# EAGLE board working (EAGLE 9.5.2), part 3 of 4
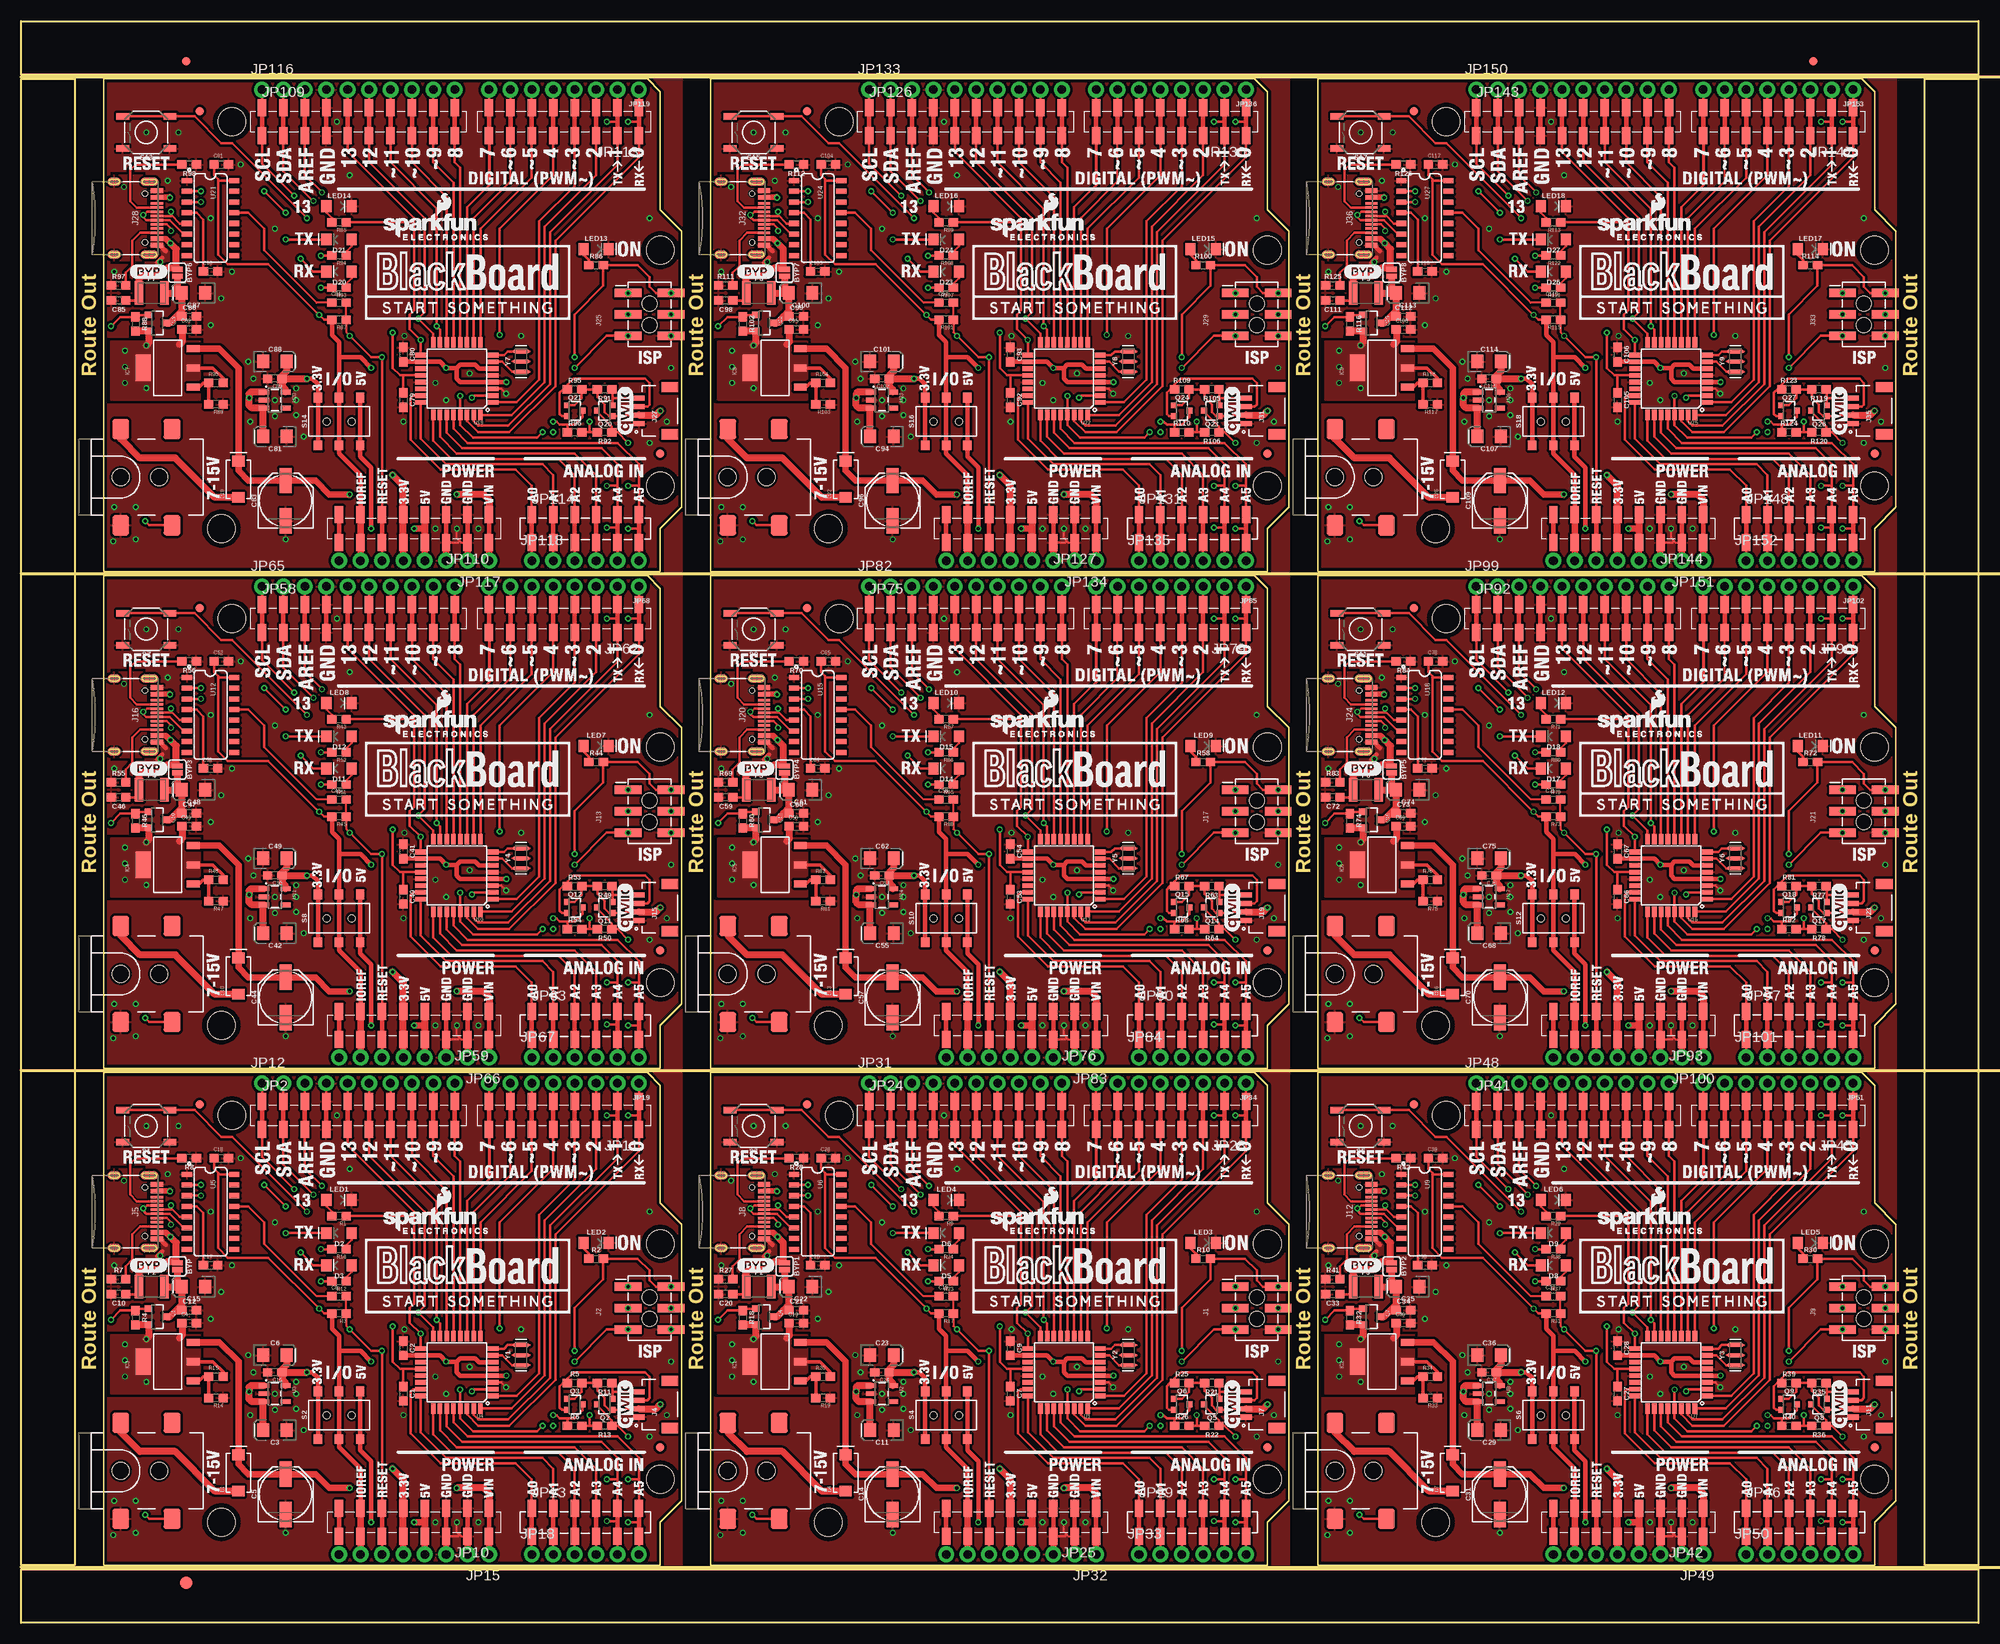
[diagram p0: board, top side]
## Tracks (layer width: path | path; a pad name or v marks a point on that pad's centre or on a via) (continued)
A5/SCL7  (via drill 0.38) (continued)
  Top 0.305: U22.28 123.3,141.62 124.97,139.95 142.75,139.95 145.29,137.41 145.29,134.87 | 145.29,134.87 JP131.6A 145.29,129.79 v144.02,129.79 | JP126.1B 100.58,173.1 v104.39,169.29 | v144.02,134.87 145.29,134.87 | JP133.1 100.58,179.32 | JP131.6B JP135.6
  Bottom 0.305: v104.39,169.29 111.89,161.8 111.89,144.4 120.14,136.14 133.73,136.14 140.97,128.91 143.13,128.91 v144.02,129.79 | QW16.1 143.26,135.64 v144.02,134.87
A5/SCL8  (via drill 0.38)
  Top 0.254: 217.3,129.79 JP148.6B | JP143.1A 172.59,179.32 JP143.1B
  Top 0.305: U25.28 195.31,141.62 196.98,139.95 214.76,139.95 217.3,137.41 217.3,134.87 | 217.3,134.87 JP148.6A 217.3,129.79 v216.03,129.79 | JP143.1B 172.59,173.1 v176.4,169.29 | v216.03,134.87 217.3,134.87 | JP150.1 172.59,179.32 | JP148.6B JP152.6
  Bottom 0.305: v176.4,169.29 183.9,161.8 183.9,144.4 192.15,136.14 205.74,136.14 212.98,128.91 215.14,128.91 v216.03,129.79 | QW18.1 215.26,135.64 v216.03,134.87
A6
  Top 0.254: JP29.3B 137.67,10.67
  Top 0.305: U1.25 120.9,22.36 123.06,20.19 135.76,20.19 137.67,18.29 137.67,10.67 JP29.3A JP33.3
A7
  Top 0.254: JP29.4A JP29.4B
  Top 0.305: U1.26 121.7,22.83 123.7,20.83 137.67,20.83 140.21,18.29 JP29.4A | JP29.4B JP33.4
A8
  Top 0.254: JP46.1B JP46.1A
  Top 0.305: U7.23 190.53,27.72 190.25,27.43 190.25,22.48 193.8,18.92 202.69,18.92 204.6,17.02 JP46.1A JP50.1
A9
  Top 0.254: JP46.2A JP46.2B
  Top 0.305: U7.24 191.41,22.58 194.44,19.56 205.87,19.56 207.14,18.29 JP46.2A | JP46.2B JP50.2
A10
  Top 0.254: JP46.3B 209.68,10.67
  Top 0.305: U7.25 192.91,22.36 195.07,20.19 207.77,20.19 209.68,18.29 209.68,10.67 JP46.3A JP50.3
A11
  Top 0.254: JP46.4A JP46.4B
  Top 0.305: U7.26 193.71,22.83 195.71,20.83 209.68,20.83 212.22,18.29 JP46.4A | JP46.4B JP50.4
A12
  Top 0.254: JP63.1B JP63.1A
  Top 0.305: U10.23 46.51,86.65 46.23,86.36 46.23,81.41 49.78,77.85 58.67,77.85 60.58,75.95 JP63.1A JP67.1
A13
  Top 0.254: JP63.2A JP63.2B
  Top 0.305: U10.24 47.4,81.51 50.42,78.49 61.85,78.49 63.12,77.22 JP63.2A | JP63.2B JP67.2
A14
  Top 0.254: JP63.3B 65.66,69.6
  Top 0.305: U10.25 48.89,81.29 51.05,79.12 63.75,79.12 65.66,77.22 65.66,69.6 JP63.3A JP67.3
A15
  Top 0.254: JP63.4A JP63.4B
  Top 0.305: U10.26 49.69,81.76 51.69,79.76 65.66,79.76 68.2,77.22 JP63.4A | JP63.4B JP67.4
A16
  Top 0.254: JP80.1B JP80.1A
  Top 0.305: U13.23 118.52,86.65 118.24,86.36 118.24,81.41 121.79,77.85 130.68,77.85 132.59,75.95 JP80.1A JP84.1
A17
  Top 0.254: JP80.2A JP80.2B
  Top 0.305: U13.24 119.41,81.51 122.43,78.49 133.86,78.49 135.13,77.22 JP80.2A | JP80.2B JP84.2
A18
  Top 0.254: JP80.3B 137.67,69.6
  Top 0.305: U13.25 120.9,81.29 123.06,79.12 135.76,79.12 137.67,77.22 137.67,69.6 JP80.3A JP84.3
A19
  Top 0.254: JP80.4A JP80.4B
  Top 0.305: U13.26 121.7,81.76 123.7,79.76 137.67,79.76 140.21,77.22 JP80.4A | JP80.4B JP84.4
A20
  Top 0.254: JP97.1B JP97.1A
  Top 0.305: U16.23 190.53,86.65 190.25,86.36 190.25,81.41 193.8,77.85 202.69,77.85 204.6,75.95 JP97.1A JP101.1
A21
  Top 0.254: JP97.2A JP97.2B
  Top 0.305: U16.24 191.41,81.51 194.44,78.49 205.87,78.49 207.14,77.22 JP97.2A | JP97.2B JP101.2
A22
  Top 0.254: JP97.3B 209.68,69.6
  Top 0.305: U16.25 192.91,81.29 195.07,79.12 207.77,79.12 209.68,77.22 209.68,69.6 JP97.3A JP101.3
A23
  Top 0.254: JP97.4A JP97.4B
  Top 0.305: U16.26 193.71,81.76 195.71,79.76 209.68,79.76 212.22,77.22 JP97.4A | JP97.4B JP101.4
A24
  Top 0.254: JP114.1B JP114.1A
  Top 0.305: U19.23 46.51,145.57 46.23,145.29 46.23,140.34 49.78,136.78 58.67,136.78 60.58,134.87 JP114.1A JP118.1
A25
  Top 0.254: JP114.2A JP114.2B
  Top 0.305: U19.24 47.4,140.44 50.42,137.41 61.85,137.41 63.12,136.14 JP114.2A | JP114.2B JP118.2
A26
  Top 0.254: JP114.3B 65.66,128.52
  Top 0.305: U19.25 48.89,140.21 51.05,138.05 63.75,138.05 65.66,136.14 65.66,128.52 JP114.3A JP118.3
A27
  Top 0.254: JP114.4A JP114.4B
  Top 0.305: U19.26 49.69,140.68 51.69,138.68 65.66,138.68 68.2,136.14 JP114.4A | JP114.4B JP118.4
A28
  Top 0.254: JP131.1B JP131.1A
  Top 0.305: U22.23 118.52,145.57 118.24,145.29 118.24,140.34 121.79,136.78 130.68,136.78 132.59,134.87 JP131.1A JP135.1
A29
  Top 0.254: JP131.2A JP131.2B
  Top 0.305: U22.24 119.41,140.44 122.43,137.41 133.86,137.41 135.13,136.14 JP131.2A | JP131.2B JP135.2
A30
  Top 0.254: JP131.3B 137.67,128.52
  Top 0.305: U22.25 120.9,140.21 123.06,138.05 135.76,138.05 137.67,136.14 137.67,128.52 JP131.3A JP135.3
A31
  Top 0.254: JP131.4A JP131.4B
  Top 0.305: U22.26 121.7,140.68 123.7,138.68 137.67,138.68 140.21,136.14 JP131.4A | JP131.4B JP135.4
A32
  Top 0.254: JP148.1B JP148.1A
  Top 0.305: U25.23 190.53,145.57 190.25,145.29 190.25,140.34 193.8,136.78 202.69,136.78 204.6,134.87 JP148.1A JP152.1
A33
  Top 0.254: JP148.2A JP148.2B
  Top 0.305: U25.24 191.41,140.44 194.44,137.41 205.87,137.41 207.14,136.14 JP148.2A | JP148.2B JP152.2
A34
  Top 0.254: JP148.3B 209.68,128.52
  Top 0.305: U25.25 192.91,140.21 195.07,138.05 207.77,138.05 209.68,136.14 209.68,128.52 JP148.3A JP152.3
A35
  Top 0.254: JP148.4A JP148.4B
  Top 0.305: U25.26 193.71,140.68 195.71,138.68 209.68,138.68 212.22,136.14 JP148.4A | JP148.4B JP152.4
AREF  (via drill 0.38)
  Top 0.254: JP2.3A JP2.3B
  Top 0.305: 45.34,30.12 44.94,30.12 44.07,30.99 v44.07,35.18 | 45.34,30.12 U4.20 | C1.1 45.34,30.12 | JP2.3B 33.66,53.85 v35.69,51.82 | JP2.3A JP12.3
  Bottom 0.305: v35.69,51.82 44.07,43.43 v44.07,35.18
AREF1  (via drill 0.38)
  Top 0.254: JP24.3A JP24.3B
  Top 0.305: 117.35,30.12 116.95,30.12 116.08,30.99 v116.08,35.18 | 117.35,30.12 U1.20 | C7.1 117.35,30.12 | JP24.3B 105.66,53.85 v107.7,51.82 | JP24.3A JP31.3
  Bottom 0.305: v107.7,51.82 116.08,43.43 v116.08,35.18
AREF2  (via drill 0.38)
  Top 0.254: JP41.3A JP41.3B
  Top 0.305: 189.36,30.12 188.96,30.12 188.09,30.99 v188.09,35.18 | 189.36,30.12 U7.20 | C27.1 189.36,30.12 | JP41.3B 177.67,53.85 v179.7,51.82 | JP41.3A JP48.3
  Bottom 0.305: v179.7,51.82 188.09,43.43 v188.09,35.18
AREF3  (via drill 0.38)
  Top 0.254: JP58.3A JP58.3B
  Top 0.305: 45.34,89.05 44.94,89.05 44.07,89.92 v44.07,94.11 | 45.34,89.05 U10.20 | C40.1 45.34,89.05 | JP58.3B 33.66,112.78 v35.69,110.74 | JP58.3A JP65.3
  Bottom 0.305: v35.69,110.74 44.07,102.36 v44.07,94.11
AREF4  (via drill 0.38)
  Top 0.254: JP75.3A JP75.3B
  Top 0.305: 117.35,89.05 116.95,89.05 116.08,89.92 v116.08,94.11 | 117.35,89.05 U13.20 | C53.1 117.35,89.05 | JP75.3B 105.66,112.78 v107.7,110.74 | JP75.3A JP82.3
  Bottom 0.305: v107.7,110.74 116.08,102.36 v116.08,94.11
AREF5  (via drill 0.38)
  Top 0.254: JP92.3A JP92.3B
  Top 0.305: 189.36,89.05 188.96,89.05 188.09,89.92 v188.09,94.11 | 189.36,89.05 U16.20 | C66.1 189.36,89.05 | JP92.3B 177.67,112.78 v179.7,110.74 | JP92.3A JP99.3
  Bottom 0.305: v179.7,110.74 188.09,102.36 v188.09,94.11
AREF6  (via drill 0.38)
  Top 0.254: JP109.3A JP109.3B
  Top 0.305: 45.34,147.97 44.94,147.97 44.07,148.84 v44.07,153.03 | 45.34,147.97 U19.20 | C79.1 45.34,147.97 | JP109.3B 33.66,171.7 v35.69,169.67 | JP109.3A JP116.3
  Bottom 0.305: v35.69,169.67 44.07,161.29 v44.07,153.03
AREF7  (via drill 0.38)
  Top 0.254: JP126.3A JP126.3B
  Top 0.305: 117.35,147.97 116.95,147.97 116.08,148.84 v116.08,153.03 | 117.35,147.97 U22.20 | C92.1 117.35,147.97 | JP126.3B 105.66,171.7 v107.7,169.67 | JP126.3A JP133.3
  Bottom 0.305: v107.7,169.67 116.08,161.29 v116.08,153.03
AREF8  (via drill 0.38)
  Top 0.254: JP143.3A JP143.3B
  Top 0.305: 189.36,147.97 188.96,147.97 188.09,148.84 v188.09,153.03 | 189.36,147.97 U25.20 | C105.1 189.36,147.97 | JP143.3B 177.67,171.7 v179.7,169.67 | JP143.3A JP150.3
  Bottom 0.305: v179.7,169.67 188.09,161.29 v188.09,153.03
CC1
  Top 0.305: J5.A5 13.74,50.02 12.95,50.8 12.95,54.48 13.59,55.12 R8.2
CC2
  Top 0.305: J5.B5 14.12,47.02 13.21,46.1 13.21,43.09 12.41,42.29 R7.2
CC3
  Top 0.305: J8.B5 86.13,47.02 85.22,46.1 85.22,43.09 84.42,42.29 R27.2
CC4
  Top 0.305: J8.A5 85.74,50.02 84.96,50.8 84.96,54.48 85.6,55.12 R28.2
CC5
  Top 0.305: J12.B5 158.14,47.02 157.23,46.1 157.23,43.09 156.42,42.29 R41.2
CC6
  Top 0.305: J12.A5 157.75,50.02 156.97,50.8 156.97,54.48 157.61,55.12 R42.2
CC7
  Top 0.305: J16.B5 14.12,105.95 13.21,105.03 13.21,102.02 12.41,101.22 R55.2
CC8
  Top 0.305: J16.A5 13.74,108.95 12.95,109.73 12.95,113.41 13.59,114.05 R56.2
CC9
  Top 0.305: J20.B5 86.13,105.95 85.22,105.03 85.22,102.02 84.42,101.22 R69.2
CC10
  Top 0.305: J20.A5 85.74,108.95 84.96,109.73 84.96,113.41 85.6,114.05 R70.2
CC11
  Top 0.305: J24.B5 158.14,105.95 157.23,105.03 157.23,102.02 156.42,101.22 R83.2
CC12
  Top 0.305: J24.A5 157.75,108.95 156.97,109.73 156.97,113.41 157.61,114.05 R84.2
CC13
  Top 0.305: J28.B5 14.12,164.87 13.21,163.96 13.21,160.95 12.41,160.15 R97.2
CC14
  Top 0.305: J28.A5 13.74,167.87 12.95,168.66 12.95,172.34 13.59,172.97 R98.2
CC15
  Top 0.305: J32.B5 86.13,164.87 85.22,163.96 85.22,160.95 84.42,160.15 R111.2
CC16
  Top 0.305: J32.A5 85.74,167.87 84.96,168.66 84.96,172.34 85.6,172.97 R112.2
CC17
  Top 0.305: J36.B5 158.14,164.87 157.23,163.96 157.23,160.95 156.42,160.15 R125.2
CC18
  Top 0.305: J36.A5 157.75,167.87 156.97,168.66 156.97,172.34 157.61,172.97 R126.2
D1
  Top 0.254: JP28.3B JP28.3A
  Top 0.305: JP28.3A 140.21,53.85 134.11,47.75 134.11,29.34 130.2,25.43 U1.32 | JP28.3B JP34.3
D2
  Top 0.254: JP11.3B JP11.3A
  Top 0.305: JP11.3A 68.2,53.85 62.1,47.75 62.1,29.34 58.19,25.43 U4.32 | JP11.3B JP19.3
D3
  Top 0.254: JP11.4A 65.66,58.93 | JP11.4B 65.66,57.66
  Top 0.305: 65.66,58.93 65.66,57.66 65.66,52.58 61.47,48.39 61.47,29.59 58.8,26.92 58.55,26.92 58.54,26.92 U4.1 | JP11.4A JP19.4
D4  (via drill 0.38)
  Top 0.254: JP11.5B JP11.5A
  Top 0.305: v56.77,34.92 56.77,47.5 63.12,53.85 JP11.5A | U4.2 53.72,27.72 v53.47,27.46 | JP11.5B JP19.5
  Bottom 0.305: v53.47,27.46 56.77,30.77 v56.77,34.92
D5
  Top 0.254: JP11.6A JP11.6B
  Top 0.305: U4.9 54.49,47.5 60.58,53.59 JP11.6B | JP11.6A JP19.6
D6
  Top 0.254: 58.04,53.12 JP11.7A JP11.7B
  Top 0.305: U4.10 53.69,48.77 58.04,53.12 | JP11.7B JP19.7
D7
  Top 0.254: JP11.8A 55.5,58.93 JP11.8B
  Top 0.305: U4.11 52.89,50.04 55.5,52.65 | JP11.8A JP19.8
  Top 0.356: 55.5,58.93 55.5,52.65
D8
  Top 0.254: JP2.10A JP2.10B
  Top 0.305: U4.12 52.09,54.72 51.44,55.37 JP2.10B | JP2.10A JP12.10
D9
  Top 0.254: JP2.9A JP2.9B
  Top 0.305: U4.13 51.29,52.98 48.89,55.37 JP2.9B | JP2.9A JP12.9
D10
  Top 0.254: JP2.8A JP2.8B
  Top 0.305: U4.14 50.49,51.24 46.36,55.37 JP2.8B | JP2.8A JP12.8
D11
  Top 0.254: JP28.4A 137.67,58.93 | JP28.4B 137.67,57.66
  Top 0.305: 137.67,58.93 137.67,57.66 137.67,52.58 133.48,48.39 133.48,29.59 130.81,26.92 130.56,26.92 130.55,26.92 U1.1 | JP28.4A JP34.4
D12  (via drill 0.38)
  Top 0.254: JP28.5B JP28.5A
  Top 0.305: v128.78,34.92 128.78,47.5 135.13,53.85 JP28.5A | U1.2 125.73,27.72 v125.48,27.46 | JP28.5B JP34.5
  Bottom 0.305: v125.48,27.46 128.78,30.77 v128.78,34.92
D13
  Top 0.254: JP28.6A JP28.6B
  Top 0.305: U1.9 126.5,47.5 132.59,53.59 JP28.6B | JP28.6A JP34.6
D14
  Top 0.254: 130.05,53.12 JP28.7A JP28.7B
  Top 0.305: U1.10 125.7,48.77 130.05,53.12 | JP28.7B JP34.7
D15
  Top 0.254: JP28.8A 127.51,58.93 JP28.8B
  Top 0.305: U1.11 124.9,50.04 127.51,52.65 | JP28.8A JP34.8
  Top 0.356: 127.51,58.93 127.51,52.65
D16
  Top 0.254: JP24.10A JP24.10B
  Top 0.305: U1.12 124.1,54.72 123.44,55.37 JP24.10B | JP24.10A JP31.10
D17
  Top 0.254: JP24.9A JP24.9B
  Top 0.305: U1.13 123.3,52.98 120.9,55.37 JP24.9B | JP24.9A JP31.9
D18
  Top 0.254: JP24.8A JP24.8B
  Top 0.305: U1.14 122.5,51.24 118.36,55.37 JP24.8B | JP24.8A JP31.8
D19
  Top 0.254: JP45.3B JP45.3A
  Top 0.305: JP45.3A 212.22,53.85 206.12,47.75 206.12,29.34 202.21,25.43 U7.32 | JP45.3B JP51.3
D20
  Top 0.254: JP45.4A 209.68,58.93 | JP45.4B 209.68,57.66
  Top 0.305: 209.68,58.93 209.68,57.66 209.68,52.58 205.49,48.39 205.49,29.59 202.82,26.92 202.56,26.92 U7.1 | JP45.4A JP51.4
D21  (via drill 0.38)
  Top 0.254: JP45.5B JP45.5A
  Top 0.305: v200.79,34.92 200.79,47.5 207.14,53.85 JP45.5A | U7.2 197.74,27.72 v197.48,27.46 | JP45.5B JP51.5
  Bottom 0.305: v197.48,27.46 200.79,30.77 v200.79,34.92
D22
  Top 0.254: JP45.6A JP45.6B
  Top 0.305: U7.9 198.51,47.5 204.6,53.59 JP45.6B | JP45.6A JP51.6
D23
  Top 0.254: 202.06,53.12 JP45.7A JP45.7B
  Top 0.305: U7.10 197.71,48.77 202.06,53.12 | JP45.7B JP51.7
D24
  Top 0.254: JP45.8A 199.52,58.93 JP45.8B
  Top 0.305: U7.11 196.91,50.04 199.52,52.65 | JP45.8A JP51.8
  Top 0.356: 199.52,58.93 199.52,52.65
D25
  Top 0.254: JP41.10A JP41.10B
  Top 0.305: U7.12 196.11,54.72 195.45,55.37 JP41.10B | JP41.10A JP48.10
D26
  Top 0.254: JP41.9A JP41.9B
  Top 0.305: U7.13 195.31,52.98 192.91,55.37 JP41.9B | JP41.9A JP48.9
D27
  Top 0.254: JP41.8A JP41.8B
  Top 0.305: U7.14 194.51,51.24 190.37,55.37 JP41.8B | JP41.8A JP48.8
D28
  Top 0.254: JP62.3B JP62.3A
  Top 0.305: JP62.3A 68.2,112.78 62.1,106.68 62.1,88.27 58.19,84.35 U10.32 | JP62.3B JP68.3
D29
  Top 0.254: JP62.4A 65.66,117.86 | JP62.4B 65.66,116.59
  Top 0.305: 65.66,117.86 65.66,116.59 65.66,111.51 61.47,107.31 61.47,88.52 58.8,85.85 58.55,85.85 58.54,85.85 U10.1 | JP62.4A JP68.4
D30  (via drill 0.38)
  Top 0.254: JP62.5B JP62.5A
  Top 0.305: v56.77,93.85 56.77,106.43 63.12,112.78 JP62.5A | U10.2 53.72,86.65 v53.47,86.39 | JP62.5B JP68.5
  Bottom 0.305: v53.47,86.39 56.77,89.69 v56.77,93.85
D31
  Top 0.254: JP62.6A JP62.6B
  Top 0.305: U10.9 54.49,106.43 60.58,112.52 JP62.6B | JP62.6A JP68.6
D32
  Top 0.254: 58.04,112.05 JP62.7A JP62.7B
  Top 0.305: U10.10 53.69,107.7 58.04,112.05 | JP62.7B JP68.7
D33
  Top 0.254: JP62.8A 55.5,117.86 JP62.8B
  Top 0.305: U10.11 52.89,108.97 55.5,111.58 | JP62.8A JP68.8
  Top 0.356: 55.5,117.86 55.5,111.58
D34
  Top 0.254: JP58.10A JP58.10B
  Top 0.305: U10.12 52.09,113.65 51.44,114.3 JP58.10B | JP58.10A JP65.10
D35
  Top 0.254: JP58.9A JP58.9B
  Top 0.305: U10.13 51.29,111.91 48.89,114.3 JP58.9B | JP58.9A JP65.9
D36
  Top 0.254: JP58.8A JP58.8B
  Top 0.305: U10.14 50.49,110.17 46.36,114.3 JP58.8B | JP58.8A JP65.8
D37
  Top 0.254: JP79.3B JP79.3A
  Top 0.305: JP79.3A 140.21,112.78 134.11,106.68 134.11,88.27 130.2,84.35 U13.32 | JP79.3B JP85.3
D38
  Top 0.254: JP79.4A 137.67,117.86 | JP79.4B 137.67,116.59
  Top 0.305: 137.67,117.86 137.67,116.59 137.67,111.51 133.48,107.31 133.48,88.52 130.81,85.85 130.56,85.85 130.55,85.85 U13.1 | JP79.4A JP85.4
D39  (via drill 0.38)
  Top 0.254: JP79.5B JP79.5A
  Top 0.305: v128.78,93.85 128.78,106.43 135.13,112.78 JP79.5A | U13.2 125.73,86.65 v125.48,86.39 | JP79.5B JP85.5
  Bottom 0.305: v125.48,86.39 128.78,89.69 v128.78,93.85
D40
  Top 0.254: JP79.6A JP79.6B
  Top 0.305: U13.9 126.5,106.43 132.59,112.52 JP79.6B | JP79.6A JP85.6
D41
  Top 0.254: 130.05,112.05 JP79.7A JP79.7B
  Top 0.305: U13.10 125.7,107.7 130.05,112.05 | JP79.7B JP85.7
D42
  Top 0.254: JP79.8A 127.51,117.86 JP79.8B
  Top 0.305: U13.11 124.9,108.97 127.51,111.58 | JP79.8A JP85.8
  Top 0.356: 127.51,117.86 127.51,111.58
D43
  Top 0.254: JP75.10A JP75.10B
  Top 0.305: U13.12 124.1,113.65 123.44,114.3 JP75.10B | JP75.10A JP82.10
D44
  Top 0.254: JP75.9A JP75.9B
  Top 0.305: U13.13 123.3,111.91 120.9,114.3 JP75.9B | JP75.9A JP82.9
D45
  Top 0.254: JP75.8A JP75.8B
  Top 0.305: U13.14 122.5,110.17 118.36,114.3 JP75.8B | JP75.8A JP82.8
D46
  Top 0.254: JP96.3B JP96.3A
  Top 0.305: JP96.3A 212.22,112.78 206.12,106.68 206.12,88.27 202.21,84.35 U16.32 | JP96.3B JP102.3
D47
  Top 0.254: JP96.4A 209.68,117.86 | JP96.4B 209.68,116.59
  Top 0.305: 209.68,117.86 209.68,116.59 209.68,111.51 205.49,107.31 205.49,88.52 202.82,85.85 202.56,85.85 U16.1 | JP96.4A JP102.4
D48  (via drill 0.38)
  Top 0.254: JP96.5B JP96.5A
  Top 0.305: v200.79,93.85 200.79,106.43 207.14,112.78 JP96.5A | U16.2 197.74,86.65 v197.48,86.39 | JP96.5B JP102.5
  Bottom 0.305: v197.48,86.39 200.79,89.69 v200.79,93.85
D49
  Top 0.254: JP96.6A JP96.6B
  Top 0.305: U16.9 198.51,106.43 204.6,112.52 JP96.6B | JP96.6A JP102.6
D50
  Top 0.254: 202.06,112.05 JP96.7A JP96.7B
  Top 0.305: U16.10 197.71,107.7 202.06,112.05 | JP96.7B JP102.7
D51
  Top 0.254: JP96.8A 199.52,117.86 JP96.8B
  Top 0.305: U16.11 196.91,108.97 199.52,111.58 | JP96.8A JP102.8
  Top 0.356: 199.52,117.86 199.52,111.58
D52
  Top 0.254: JP92.10A JP92.10B
  Top 0.305: U16.12 196.11,113.65 195.45,114.3 JP92.10B | JP92.10A JP99.10
D53
  Top 0.254: JP92.9A JP92.9B
  Top 0.305: U16.13 195.31,111.91 192.91,114.3 JP92.9B | JP92.9A JP99.9
D54
  Top 0.254: JP92.8A JP92.8B
  Top 0.305: U16.14 194.51,110.17 190.37,114.3 JP92.8B | JP92.8A JP99.8
D55
  Top 0.254: JP113.3B JP113.3A
  Top 0.305: JP113.3A 68.2,171.7 62.1,165.61 62.1,147.19 58.19,143.28 U19.32 | JP113.3B JP119.3
D56
  Top 0.254: JP113.4A 65.66,176.78 | JP113.4B 65.66,175.51
  Top 0.305: 65.66,176.78 65.66,175.51 65.66,170.43 61.47,166.24 61.47,147.45 58.8,144.78 58.55,144.78 58.54,144.77 U19.1 | JP113.4A JP119.4
D57  (via drill 0.38)
  Top 0.254: JP113.5B JP113.5A
  Top 0.305: v56.77,152.78 56.77,165.35 63.12,171.7 JP113.5A | U19.2 53.72,145.57 v53.47,145.32 | JP113.5B JP119.5
  Bottom 0.305: v53.47,145.32 56.77,148.62 v56.77,152.78
D58
  Top 0.254: JP113.6A JP113.6B
  Top 0.305: U19.9 54.49,165.35 60.58,171.44 JP113.6B | JP113.6A JP119.6
D59
  Top 0.254: 58.04,170.97 JP113.7A JP113.7B
  Top 0.305: U19.10 53.69,166.62 58.04,170.97 | JP113.7B JP119.7
D60
  Top 0.254: JP113.8A 55.5,176.78 JP113.8B
  Top 0.305: U19.11 52.89,167.89 55.5,170.5 | JP113.8A JP119.8
  Top 0.356: 55.5,176.78 55.5,170.5
D61
  Top 0.254: JP109.10A JP109.10B
  Top 0.305: U19.12 52.09,172.57 51.44,173.23 JP109.10B | JP109.10A JP116.10
D62
  Top 0.254: JP109.9A JP109.9B
  Top 0.305: U19.13 51.29,170.83 48.89,173.23 JP109.9B | JP109.9A JP116.9
D63
  Top 0.254: JP109.8A JP109.8B
  Top 0.305: U19.14 50.49,169.09 46.36,173.23 JP109.8B | JP109.8A JP116.8
D64
  Top 0.254: JP130.3B JP130.3A
  Top 0.305: JP130.3A 140.21,171.7 134.11,165.61 134.11,147.19 130.2,143.28 U22.32 | JP130.3B JP136.3
D65
  Top 0.254: JP130.4A 137.67,176.78 | JP130.4B 137.67,175.51
  Top 0.305: 137.67,176.78 137.67,175.51 137.67,170.43 133.48,166.24 133.48,147.45 130.81,144.78 130.56,144.78 130.55,144.77 U22.1 | JP130.4A JP136.4
D66  (via drill 0.38)
  Top 0.254: JP130.5B JP130.5A
  Top 0.305: v128.78,152.78 128.78,165.35 135.13,171.7 JP130.5A | U22.2 125.73,145.57 v125.48,145.32 | JP130.5B JP136.5
  Bottom 0.305: v125.48,145.32 128.78,148.62 v128.78,152.78
D67
  Top 0.254: JP130.6A JP130.6B
  Top 0.305: U22.9 126.5,165.35 132.59,171.44 JP130.6B | JP130.6A JP136.6
D68
  Top 0.254: 130.05,170.97 JP130.7A JP130.7B
  Top 0.305: U22.10 125.7,166.62 130.05,170.97 | JP130.7B JP136.7
D69
  Top 0.254: JP130.8A 127.51,176.78 JP130.8B
  Top 0.305: U22.11 124.9,167.89 127.51,170.5 | JP130.8A JP136.8
  Top 0.356: 127.51,176.78 127.51,170.5
D70
  Top 0.254: JP126.10A JP126.10B
  Top 0.305: U22.12 124.1,172.57 123.44,173.23 JP126.10B | JP126.10A JP133.10
D71
  Top 0.254: JP126.9A JP126.9B
  Top 0.305: U22.13 123.3,170.83 120.9,173.23 JP126.9B | JP126.9A JP133.9
D72
  Top 0.254: JP126.8A JP126.8B
  Top 0.305: U22.14 122.5,169.09 118.36,173.23 JP126.8B | JP126.8A JP133.8
D73
  Top 0.254: JP147.3B JP147.3A
  Top 0.305: JP147.3A 212.22,171.7 206.12,165.61 206.12,147.19 202.21,143.28 U25.32 | JP147.3B JP153.3
D74
  Top 0.254: JP147.4A 209.68,176.78 | JP147.4B 209.68,175.51
  Top 0.305: 209.68,176.78 209.68,175.51 209.68,170.43 205.49,166.24 205.49,147.45 202.82,144.78 202.56,144.78 202.56,144.77 U25.1 | JP147.4A JP153.4
D75  (via drill 0.38)
  Top 0.254: JP147.5B JP147.5A
  Top 0.305: v200.79,152.78 200.79,165.35 207.14,171.7 JP147.5A | U25.2 197.74,145.57 v197.48,145.32 | JP147.5B JP153.5
  Bottom 0.305: v197.48,145.32 200.79,148.62 v200.79,152.78
D76
  Top 0.254: JP147.6A JP147.6B
  Top 0.305: U25.9 198.51,165.35 204.6,171.44 JP147.6B | JP147.6A JP153.6
D77
  Top 0.254: 202.06,170.97 JP147.7A JP147.7B
  Top 0.305: U25.10 197.71,166.62 202.06,170.97 | JP147.7B JP153.7
D78
  Top 0.254: JP147.8A 199.52,176.78 JP147.8B
  Top 0.305: U25.11 196.91,167.89 199.52,170.5 | JP147.8A JP153.8
  Top 0.356: 199.52,176.78 199.52,170.5
D79
  Top 0.254: JP143.10A JP143.10B
  Top 0.305: U25.12 196.11,172.57 195.45,173.23 JP143.10B | JP143.10A JP150.10
D80
  Top 0.254: JP143.9A JP143.9B
  Top 0.305: U25.13 195.31,170.83 192.91,173.23 JP143.9B | JP143.9A JP150.9
D81
  Top 0.254: JP143.8A JP143.8B
  Top 0.305: U25.14 194.51,169.09 190.37,173.23 JP143.8B | JP143.8A JP150.8
D+  (via drill 0.38)
  Top 0.305: J5.A6 17.78,49.02 17.78,49.14 | 17.78,49.14 18.8,48.13 U5.5 | J5.B6 17.26,48.02 17.78,47.5 v17.78,47.24 | v17.78,49.53 17.78,49.14
  Bottom 0.305: v17.78,49.53 v17.78,47.24 17.14,47.88 JP14.D+
D+1  (via drill 0.38)
  Top 0.305: J8.A6 89.79,49.02 89.79,49.14 | 89.79,49.14 90.8,48.13 U6.5 | J8.B6 89.27,48.02 89.79,47.5 v89.79,47.24 | v89.79,49.53 89.79,49.14
  Bottom 0.305: v89.79,49.53 v89.79,47.24 89.15,47.88 JP30.D+
D+2  (via drill 0.38)
  Top 0.305: J12.A6 161.8,49.02 161.8,49.14 | 161.8,49.14 162.81,48.13 U9.5 | J12.B6 161.28,48.02 161.8,47.5 v161.8,47.24 | v161.8,49.53 161.8,49.14
  Bottom 0.305: v161.8,49.53 v161.8,47.24 161.16,47.88 JP47.D+
D+3  (via drill 0.38)
  Top 0.305: J16.A6 17.78,107.95 17.78,108.07 | 17.78,108.07 18.8,107.06 U12.5 | J16.B6 17.26,106.95 17.78,106.43 v17.78,106.17 | v17.78,108.46 v17.78,108.45 17.78,108.07
  Bottom 0.305: v17.78,108.46 v17.78,106.17 17.14,106.81 JP64.D+
D+4  (via drill 0.38)
  Top 0.305: J20.A6 89.79,107.95 89.79,108.07 | 89.79,108.07 90.8,107.06 U15.5 | J20.B6 89.27,106.95 89.79,106.43 v89.79,106.17 | v89.79,108.46 v89.79,108.45 89.79,108.07
  Bottom 0.305: v89.79,108.46 v89.79,106.17 89.15,106.81 JP81.D+
D+5  (via drill 0.38)
  Top 0.305: J24.A6 161.8,107.95 161.8,108.07 | 161.8,108.07 162.81,107.06 U18.5 | J24.B6 161.28,106.95 161.8,106.43 v161.8,106.17 | v161.8,108.46 v161.8,108.45 161.8,108.07
  Bottom 0.305: v161.8,108.46 v161.8,106.17 161.16,106.81 JP98.D+
D+6  (via drill 0.38)
  Top 0.305: J28.A6 17.78,166.87 17.78,167 | 17.78,167 18.8,165.99 U21.5 | J28.B6 17.26,165.87 17.78,165.35 v17.78,165.1 | v17.78,167.39 v17.78,167.38 17.78,167
  Bottom 0.305: v17.78,167.39 v17.78,165.1 17.14,165.74 JP115.D+
D+7  (via drill 0.38)
  Top 0.305: J32.A6 89.79,166.87 89.79,167 | 89.79,167 90.8,165.99 U24.5 | J32.B6 89.27,165.87 89.79,165.35 v89.79,165.1 | v89.79,167.39 v89.79,167.38 89.79,167
  Bottom 0.305: v89.79,167.39 v89.79,165.1 89.15,165.74 JP132.D+
D+8  (via drill 0.38)
  Top 0.305: J36.A6 161.8,166.87 161.8,167 | 161.8,167 162.81,165.99 U27.5 | J36.B6 161.28,165.87 161.8,165.35 v161.8,165.1 | v161.8,167.39 v161.8,167.38 161.8,167
  Bottom 0.305: v161.8,167.39 v161.8,165.1 161.16,165.74 JP149.D+
D-  (via drill 0.38)
  Top 0.305: J5.B7 14.97,49.52 14.61,49.15 v14.48,49.15 14.48,48.89 14.86,48.51 J5.A7 17.65,48.52 19.3,46.86 U5.6
  Bottom 0.305: JP14.D- 13.97,49.66 v14.48,49.15
D-1  (via drill 0.38)
  Top 0.305: J8.B7 86.98,49.52 86.61,49.15 v86.49,49.15 86.49,48.89 86.87,48.51 J8.A7 89.66,48.52 91.31,46.86 U6.6
  Bottom 0.305: JP30.D- 85.98,49.66 v86.49,49.15
D-2  (via drill 0.38)
  Top 0.305: J12.B7 158.99,49.52 158.62,49.15 v158.5,49.15 158.5,48.89 158.88,48.51 J12.A7 161.67,48.52 163.32,46.86 U9.6
  Bottom 0.305: JP47.D- 157.99,49.66 v158.5,49.15
D-3  (via drill 0.38)
  Top 0.305: J16.B7 14.97,108.45 14.61,108.08 v14.48,108.08 14.48,107.82 14.86,107.44 J16.A7 17.65,107.45 19.3,105.79 U12.6
  Bottom 0.305: JP64.D- 13.97,108.59 v14.48,108.08
D-4  (via drill 0.38)
  Top 0.305: J20.B7 86.98,108.45 86.61,108.08 v86.49,108.08 86.49,107.82 86.87,107.44 J20.A7 89.66,107.45 91.31,105.79 U15.6
  Bottom 0.305: JP81.D- 85.98,108.59 v86.49,108.08
D-5  (via drill 0.38)
  Top 0.305: J24.B7 158.99,108.45 158.62,108.08 v158.5,108.08 158.5,107.82 158.88,107.44 J24.A7 161.67,107.45 163.32,105.79 U18.6
  Bottom 0.305: JP98.D- 157.99,108.59 v158.5,108.08
D-6  (via drill 0.38)
  Top 0.305: J28.B7 14.97,167.37 14.61,167 v14.48,167 14.48,166.75 14.86,166.37 J28.A7 17.65,166.37 19.3,164.72 U21.6
  Bottom 0.305: JP115.D- 13.97,167.51 v14.48,167
D-7  (via drill 0.38)
  Top 0.305: J32.B7 86.98,167.37 86.61,167 v86.49,167 86.49,166.75 86.87,166.37 J32.A7 89.66,166.37 91.31,164.72 U24.6
  Bottom 0.305: JP132.D- 85.98,167.51 v86.49,167
D-8  (via drill 0.38)
  Top 0.305: J36.B7 158.99,167.37 158.62,167 v158.5,167 158.5,166.75 158.88,166.37 J36.A7 161.67,166.37 163.32,164.72 U27.6
  Bottom 0.305: JP149.D- 157.99,167.51 v158.5,167